# Allegro board rt1064_som.brd (continued)
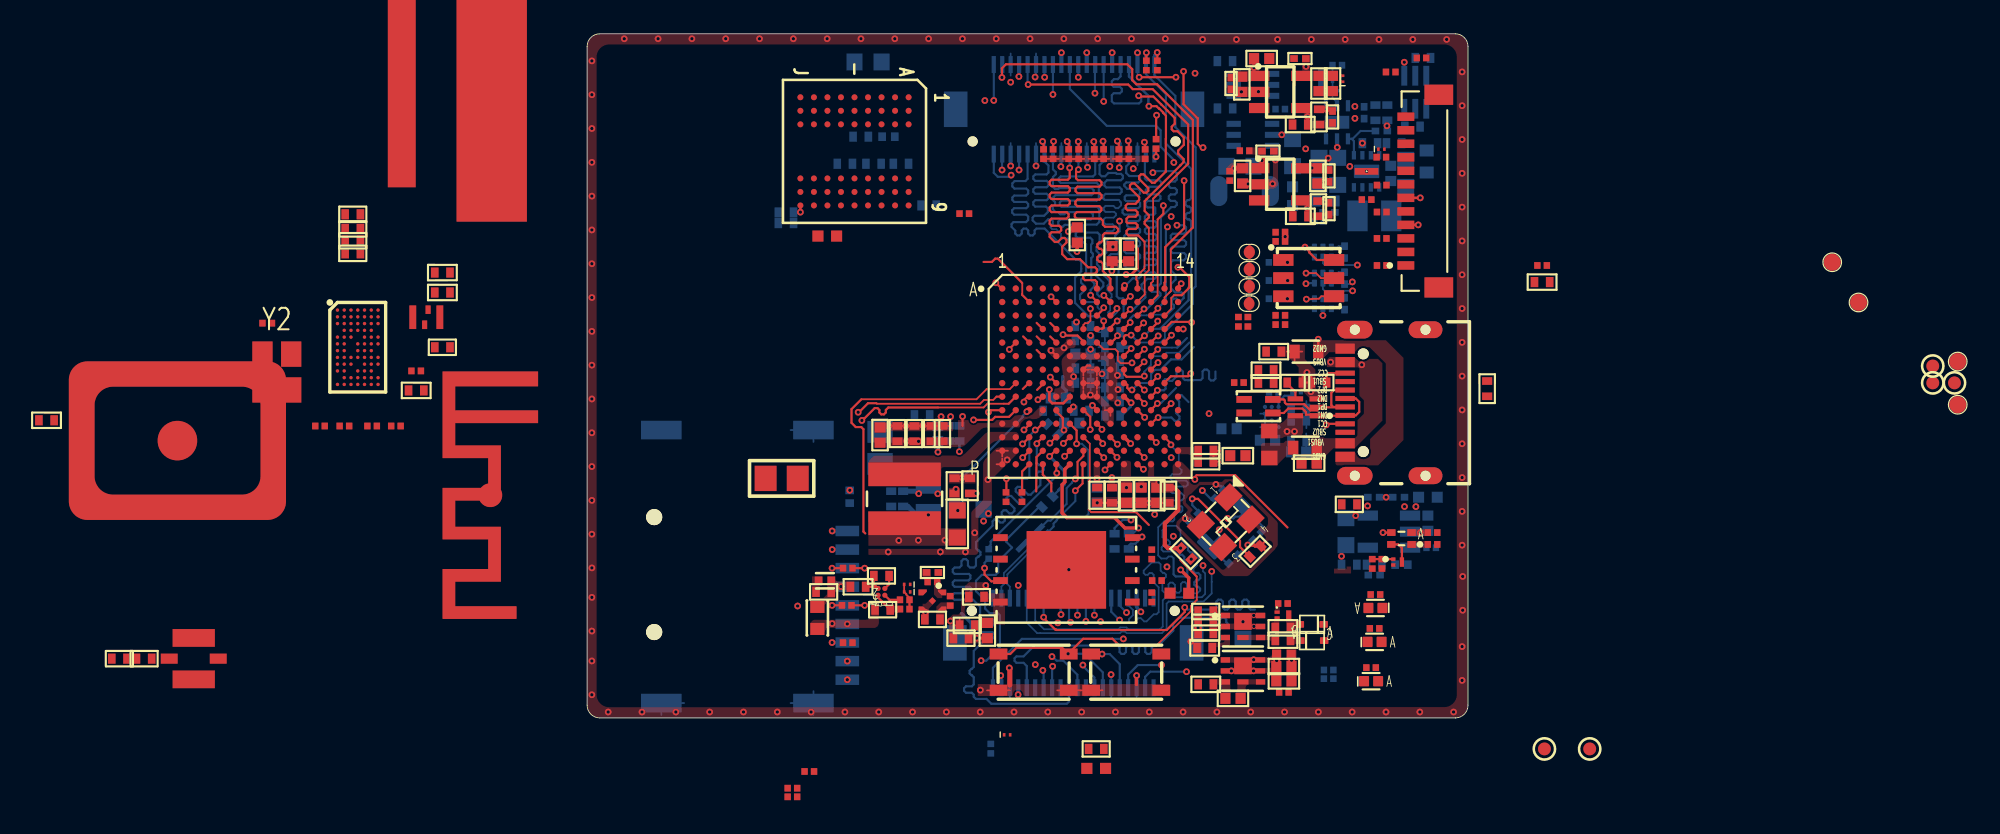
[diagram p0: board, top side]
## Copper pours and planes (outline as drawn; the poured copper is in the pictures) (continued)
GND on TOP: 22.58,8.03 23.65,8.03 23.77,7.91 23.77,7.73 23.69,7.65 22.93,7.65 22.78,7.5 22.78,6.88 22.69,6.79 22.42,6.79 22.36,6.73 22.36,5.88 22.26,5.77 22.26,5.16 22.06,5.16 21.89,4.98 21.89,4.43 21.88,4.42 21.43,4.42 21.43,5.5 21.3,5.63 21.3,5.79 21.63,6.12 21.96,6.12 22.11,6.27 22.11,6.87 22.12,6.88 22.12,6.9 22.35,7.13 22.35,7.8
GND on TOP: 0.03,39.72 0.24,40.23 0.75,40.44 51.35,40.44 51.86,40.23 52.07,39.72 52.07,0.75 51.86,0.24 51.35,0.03 0.75,0.03 0.24,0.24 0.03,0.75 ; 1 cut-out
GND on TOP: 13.2,5.51 13.29,5.72 13.5,5.81 16.01,5.81 16.01,5.32 14.34,5.32 14.13,5.24 14.04,5.02 14.04,4.91 13.2,4.91
GND on TOP: 33.2,32.89 33.2,33.27 26.79,33.27 26.79,32.89
GND on TOP: 29.83,13.06 34.7,13.06 34.7,12.41 29.83,12.41
GND on TOP: 20.42,7.15 20.43,7.15 20.65,6.93 20.65,6.9 20.22,6.48 20.22,5.56 20.19,5.53 19.84,5.53 19.84,5.53 19.84,6.75 19.85,6.76 20.02,6.76
GND on TOP: 17.01,17.5 21.63,17.5 21.63,16.96 17.01,16.96
GND on TOP: 37.87,37.41 37.87,36.97 37.88,36.97 38.27,36.97 38.27,36.97 38.4,36.84 38.4,36.74 40.34,36.74 40.35,36.74 40.35,37.34 40.34,37.35 38.34,37.35 38.27,37.42 37.88,37.42
GND on TOP: 35.91,6.6 36.36,6.6 36.36,3.85 35.91,3.85 35.91,4.19 35.86,4.3 35.76,4.34 35.65,4.34 35.54,4.39 35.5,4.49 35.5,4.58 35.54,4.69 35.65,4.73 35.76,4.73 35.86,4.78 35.91,4.88
GND on TOP: 24.51,16.01 25.38,16.01 25.49,15.97 25.53,15.86 25.51,15.71 25.46,15.65 25.44,15.63 24.82,15.01 24.81,15 24,14.2 23.96,14.13 23.94,14.05 23.94,12.76 23.93,12.68 23.88,12.62 23.2,11.93 23.16,11.87 23.14,11.79 23.14,9.85 23.08,9.71 22.94,9.65 16.64,9.65 16.64,10 22.72,10 22.72,12.13 22.73,12.18 22.76,12.23 23.36,12.83 23.4,12.9 23.42,12.97 23.42,14.98 23.46,15.16 23.56,15.32 24.12,15.88 24.26,15.97 24.44,16.01
GND on TOP: 35.02,15.17 35.14,15.15 35.24,15.09 35.58,14.74 35.64,14.65 35.67,14.53 35.67,14.27 35.63,14.19 35.62,14.1 35.71,13.88 35.93,13.79 36.09,13.84 36.21,13.96 37.54,13.96 37.65,14.07 37.7,14.11 37.76,14.12 38.25,14.12 38.3,14.11 38.34,14.09 38.35,14.08 38.83,13.61 38.82,13.6 40.76,11.66 40.83,11.57 40.85,11.45 40.85,10.3 40.83,10.19 40.76,10.09 40.73,10.06 40.7,10 40.65,9.94 40.42,9.72 39.66,8.95 39.66,8.95 39.28,8.58 39.27,8.57 39.18,8.47 39.08,8.41 38.97,8.39 37.77,8.39 37.66,8.41 37.56,8.47 37.51,8.52 37.5,8.54 37.09,8.95 34.92,11.12 34.86,11.2 34.84,11.29 34.84,11.49 34.86,11.58 34.92,11.66 35.48,12.23 35.49,12.23 35.52,12.3 35.49,12.38 35.46,12.39 35.3,12.56 35.28,12.59 35.23,12.7 35.22,12.79 35.22,12.89 35.23,12.95 35.27,13.01 35.27,13.52 35.25,13.64 35.18,13.73 34.71,14.2 34.65,14.3 34.63,14.41 34.63,14.82 34.65,14.94 34.71,15.04 34.85,15.17 ; 2 cut-outs
GND on TOP: 38.44,31.86 38.44,31.33 38.43,31.32 40.66,31.32 40.86,31.52 40.86,33.69 40.81,33.74 40.4,33.74 40.39,33.72 40.39,33.34 40.39,33.33 40.56,33.33 40.56,31.97 40.46,31.86
GND on TOP: 24.89,2.05 24.94,2.08 25,2.1 25.08,2.07 25.14,2 32.39,2 32.43,2.05 32.49,2.07 32.53,2.07 32.56,2.04 32.6,2 34.42,2 34.42,1.3 23.11,1.3 23.11,2 24.84,2
GND on TOP: 41.56,22.08 42.15,22.08 42.15,22.07 42.45,22.07 42.45,21.23 43.07,20.62 43.07,19.53 43.58,19.02 43.65,19.02 43.65,18.73 43.64,18.72 42.74,18.72 42.72,18.73 42.72,18.92 42.08,19.56 42.08,20.73 41.85,20.96 41.85,20.96 41.55,21.26 41.55,21.37 40.83,21.37 40.83,21.97 41.55,21.97 41.55,22.06
GND on TOP: 16.81,6.7 17.25,6.7 17.25,5.63 17.16,5.41 16.95,5.33 16.41,5.33 15.02,5.32 15.02,5.81 16.51,5.81 16.72,5.9 16.81,6.11
GND on BOTTOM: 37.36,13.7 37.55,13.89 38.13,13.31 38.23,13.26 38.34,13.31 38.38,13.35 38.42,13.37 38.46,13.38 38.78,13.38 38.92,13.36 39.04,13.28 40.21,12.07 40.72,11.56 40.76,11.49 40.78,11.42 40.78,10.97 40.76,10.89 40.72,10.83 39.73,9.84 39.65,9.81 39.58,9.84 39.37,10.05 38.88,9.56 38.86,9.51 38.88,9.46 39,9.34 39.04,9.29 39.05,9.22 39.04,9.16 39,9.1 38.36,8.46 38.2,8.35 38.02,8.32 37.96,8.32 37.77,8.35 37.62,8.46 35.56,10.51 35.49,10.62 35.46,10.75 35.46,11.68 35.49,11.75 35.56,11.78 35.64,11.78 35.68,11.77 35.71,11.75 36.13,11.33 36.2,11.3 36.28,11.33 37.72,12.77 37.78,12.91 37.72,13.05 37.21,13.55 37.21,13.56 37.36,13.7 ; 1 cut-out
GND on BOTTOM: 50.05,10.8 50.05,11.32 48.07,11.32 48.07,10.8
GND on BOTTOM: 25.09,39.58 25.12,39.6 25.16,39.61 32.57,39.61 32.64,39.58 32.67,39.51 32.67,38.18 32.68,38.13 32.71,38.08 32.83,37.96 32.83,37.85 32.8,37.82 32.6,37.82 32.46,37.96 32.44,37.99 32.43,38.03 32.43,39.3 32.4,39.37 32.33,39.4 31.29,39.4 31.22,39.37 31.19,39.3 31.19,38.09 31.16,38.07 30.92,38.07 30.92,39.28 30.89,39.35 30.82,39.38 29.78,39.38 29.71,39.35 29.68,39.28 29.68,37.99 29.65,37.92 29.58,37.89 29.52,37.89 29.45,37.92 29.42,37.99 29.42,39.27 29.39,39.33 29.33,39.36 28.3,39.36 28.23,39.33 28.2,39.26 28.2,37.92 28.17,37.85 28.1,37.82 28.02,37.82 27.95,37.85 27.92,37.92 27.92,39.25 27.89,39.32 27.82,39.35 26.78,39.35 26.71,39.32 26.68,39.25 26.68,37.76 26.65,37.69 26.58,37.66 26.51,37.67 26.46,37.69 26.43,37.75 26.43,37.92 26.43,39.25 26.4,39.32 26.33,39.35 25.41,39.35 25.38,39.34 25.34,39.32 25.24,39.22 25.22,39.18 25.21,39.15 25.21,37.63 25.22,37.63 25.22,35.8 25.21,35.8 25.21,34.78 25.24,34.71 25.31,34.68 27.21,34.68 30.86,34.68 30.86,34.68 32.49,34.68 32.63,34.63 32.69,34.48 32.69,32.47 32.63,32.33 32.49,32.27 32.32,32.27 32.25,32.28 32.18,32.33 32.17,32.34 32.13,32.4 32.11,32.48 32.11,32.56 32.4,32.84 32.4,34.27 32.34,34.41 32.2,34.47 31.39,34.47 31.25,34.41 31.19,34.27 31.19,34.16 31.19,34.15 31.19,32.7 31.02,32.53 30.99,32.51 30.95,32.5 30.85,32.5 30.78,32.53 30.75,32.6 30.75,32.72 30.76,32.76 30.78,32.79 30.89,32.89 30.91,32.93 30.92,32.97 30.92,34.37 30.89,34.44 30.82,34.47 29.78,34.47 29.71,34.44 29.68,34.37 29.68,32.45 29.65,32.38 29.58,32.35 29.52,32.35 29.45,32.38 29.42,32.45 29.42,34.37 29.39,34.44 29.32,34.47 28.26,34.47 28.19,34.44 28.16,34.37 28.16,32.53 28.13,32.46 28.06,32.43 27.93,32.43 27.9,32.46 27.9,34.37 27.87,34.44 27.8,34.47 27.21,34.47 26.95,34.46 26.87,34.45 26.81,34.41 26.68,34.27 26.68,34.26 26.68,32.52 26.42,32.52 26.41,32.53 26.41,33.73 26.42,33.74 26.42,34.36 26.39,34.44 26.32,34.46 25.31,34.46 25.24,34.44 25.21,34.36 25.21,32.55 24.89,32.55 24.89,35.65 24.84,35.75 24.74,35.8 21.09,35.8 21.09,36.7 23.57,36.7 23.67,36.65 23.72,36.55 23.72,36.38 23.76,36.27 23.87,36.23 24.74,36.23 24.84,36.27 24.89,36.38 24.89,39.34 24.9,39.38 24.92,39.41
GND on BOTTOM: 43.8,35.62 45.02,35.62 45.02,35.62 46.15,35.62 46.15,35.31 45.02,35.31 45.02,34.91 43.8,34.91
GND on BOTTOM: 19.42,14.55 20.94,14.55 20.94,14.09 21.02,13.88 21.24,13.79 21.85,13.79 21.99,13.73 22.05,13.59 22.05,13.47 21.99,13.33 21.85,13.27 19.42,13.27
GND on BOTTOM: 24.52,16.02 25.39,16.02 25.5,15.97 25.54,15.87 25.54,15.79 25.52,15.71 25.47,15.66 25.45,15.64 24.82,15.02 24.82,15.01 24.09,14.28 23.99,14.13 23.95,13.94 23.95,13.18 23.92,13.11 23.85,13.08 23.62,13.08 23.48,13.13 23.42,13.28 23.42,14.76 23.43,14.76 23.43,14.98 23.46,15.17 23.57,15.33 24.12,15.88 24.27,15.98 24.45,16.01
GND on BOTTOM: 12.22,17.54 13.74,17.54 13.74,17.53 14.58,17.53 14.58,16.46 13.74,16.46 13.74,13.99 13.68,13.85 13.54,13.79 13.27,13.79 13.13,13.73 13.07,13.59 13.07,8.79 13.13,8.65 13.27,8.59 13.54,8.59 13.68,8.54 13.74,8.39 13.74,1.45 14.63,1.45 14.63,0.28 3.2,0.28 3.2,1.39 12.22,1.39 12.22,16.46 3.2,16.46 3.2,17.53 12.22,17.53
GND on BOTTOM: 30.84,2.57 30.88,2.68 30.99,2.72 31,2.72 31.11,2.68 31.15,2.57 31.15,1.38 31.21,1.24 31.35,1.18 32.12,1.18 32.27,1.24 32.32,1.38 32.32,2.42 32.37,2.53 32.47,2.57 32.55,2.57 32.66,2.53 32.7,2.42 32.7,1.1 32.64,0.96 32.5,0.9 29.56,0.9 29.42,0.96 29.36,1.1 29.36,2.08 29.39,2.15 29.46,2.18 29.53,2.18 29.6,2.15 29.63,2.08 29.63,1.38 29.69,1.24 29.83,1.18 30.64,1.18 30.78,1.24 30.84,1.38
GND on BOTTOM: 28.02,19.25 28.66,19.25 28.66,18.7 28.72,18.56 28.86,18.5 28.9,18.5 29,18.46 29.05,18.35 29.05,18.13 29.06,18.05 29.11,17.99 29.33,17.77 29.33,17.11 28.81,17.11 28.81,17.71 28.75,17.85 28.61,17.91 27.94,17.91 27.8,17.85 27.73,17.63 27.69,17.57 27.16,17.04 27.16,17.03 26.87,17.31 26.88,17.31 27.5,17.93 27.54,18 27.56,18.08 27.56,18.32 27.56,18.48 27.82,18.48 27.96,18.54 28.02,18.68
GND on BOTTOM: 19.13,18.21 19.59,18.21 19.59,16.97 19.13,16.97 19.13,16.97 18.06,16.97 18.06,16.27 16.91,16.27 16.91,17.58 18.06,17.58 18.93,17.58 19.07,17.64 19.13,17.78
GND on BOTTOM: 42.09,18.98 42.75,18.98 42.75,18.73 42.75,18.73 42.75,15.41 42.31,15.41 42.31,18.69 42.09,18.69
GND on BOTTOM: 30.14,23.51 30.14,23.24 30.2,23.1 30.34,23.04 30.75,23.04 30.89,22.98 30.95,22.84 30.95,17.59 30.53,17.59 30.53,18.74 30.45,18.92 30.28,18.99 29.94,18.99 29.76,19.06 29.69,19.24 29.69,20.98 29.69,20.98 29.46,21.21 29.45,21.21 29.45,23.51
GND on BOTTOM: 31.6,12.95 31.6,12.5 33.99,12.5 33.99,12.95
GND on BOTTOM: 22.31,16.61 22.31,16.22 22.26,16.12 22.16,16.07 20.42,16.07 20.42,16.61
GND on BOTTOM: 26.31,3.27 26.33,3.34 26.4,3.37 26.61,3.37 26.68,3.34 26.71,3.27 26.71,3.08 26.7,3.04 26.68,3.01 26.64,2.97 26.62,2.93 26.61,2.9 26.61,1.29 26.67,1.22 26.75,1.17 26.84,1.15 27.62,1.15 27.71,1.17 27.79,1.22 27.87,1.31 27.87,2.02 27.88,2.02 28.12,2.02 28.12,1.27 27.92,1.07 27.85,1.02 27.75,1 26.73,1 26.64,1.02 26.56,1.07 26.37,1.26 26.37,2.88 26.37,2.92 26.34,2.95 26.33,2.96 26.31,3 26.31,3.03
GND on BOTTOM: 44.39,10.67 44.86,10.67 44.86,10.66 45.3,10.66 45.3,9.87 44.86,9.87 44.86,8.78 44.39,8.78
GND on BOTTOM: 24.83,3 24.86,3.07 24.93,3.1 25.07,3.1 25.14,3.07 25.17,3 25.17,1.13 25.14,1.06 25.07,1.03 24.93,1.03 24.86,1.06 24.83,1.13
GND on BOTTOM: 42.22,34.68 42.22,34.68 42.22,33.83 43.36,33.83 43.36,33.62 44.22,33.62 44.22,34.59 44.48,34.59 44.48,33.62 44.9,33.62 44.9,32.75 45.73,32.75 45.73,33.54 45.96,33.54 45.96,32.75 46.23,32.75 46.23,33.54 46.47,33.54 46.47,32.75 47.2,32.75 47.2,32.79 47.89,33.49 48.92,33.49 48.92,32.94 49.24,32.63 50.07,32.63 50.09,32.61 50.09,31.92 50.08,31.92 49.23,31.92 48.79,32.36 47.2,32.36 47.2,32.37 46.79,32.37 46.79,32 45.49,32 45.49,32.52 42.77,32.52 42.77,33.5 41.53,33.5 41.53,34.31 40.09,34.31 40.09,34.68 41.53,34.68
GND on BOTTOM, SIG1: 0.03,39.72 0.24,40.23 0.75,40.44 51.34,40.44 51.85,40.23 52.06,39.72 52.06,0.75 51.85,0.24 51.34,0.03 0.75,0.03 0.24,0.24 0.03,0.75 ; 1 cut-out
GND on POWER: 0,39.75 0.21,40.26 0.72,40.47 51.32,40.47 51.82,40.26 52.04,39.75 52.04,0.78 51.82,0.27 51.32,0.06 0.72,0.06 0.21,0.27 0,0.78 ; 1 cut-out
VBUS on TOP: 43.91,21.35 45.39,21.35 45.63,21.11 46.06,21.11 46.19,21.24 46.77,21.24 47.03,20.98 47.03,17.59 45.39,15.95 44.13,15.95 43.47,15.29 43.47,14.8 43.45,14.79 42.81,14.79 42.81,16.58 42.83,16.6 43.56,16.6 43.61,16.55 45.4,16.55 45.55,16.69 45.55,16.94 45.56,16.95 45.56,17.61 45.94,17.99 45.94,18.79 45.68,19.06 45.68,20.66 45.59,20.74 45.31,20.74 45.3,20.75 43.75,20.75 43.75,21.2
VDD_1V1_CAP on TOP: 32.02,15.21 32.12,15.17 32.17,15.06 32.17,13.32 31.79,13.32 31.79,13.32 31.57,13.32 31.57,15.07 31.61,15.17 31.72,15.22 31.78,15.22
VDD_HIGH_IN_3V3 on TOP: 33.16,15.07 33.2,15.18 33.31,15.22 33.38,15.22 33.45,15.21 33.52,15.17 33.53,15.12 33.53,15.07 33.53,14.32 33.86,13.99 33.87,13.97 33.88,13.95 34.7,13.95 34.7,13.31 33.73,13.31 33.73,13.3 33.35,13.3 33.35,13.88 33.35,13.88 33.16,14.07 33.16,14.23 33.16,14.23
VDD_SNVS_IN on POWER: 37.16,17.93 40.35,17.93 40.52,17.86 40.6,17.68 40.6,13.18 40.52,13 40.35,12.93 35.36,12.93 35.35,12.92 34.96,12.92 34.77,12.89 34.62,12.78 34.5,12.67 34.4,12.51 34.36,12.33 34.36,11.28 34.33,11.09 34.22,10.94 33.24,9.96 33.09,9.85 32.9,9.82 32.48,9.82 32.34,9.88 32.28,10.02 32.28,10.17 32.28,11.23 32.48,11.42 32.48,12.25 32.42,12.39 32.28,12.45 31.28,12.45 30.8,12.65 30.6,13.12 30.6,13.63 30.57,13.82 30.46,13.97 30.13,14.31 30.03,14.46 29.99,14.65 29.99,15.69 30.03,15.87 30.13,16.03 30.41,16.31 30.49,16.37 30.59,16.39 35.61,16.39
VDD_SOC_IN on TOP: 28.36,21.53 28.48,21.61 28.61,21.64 30.94,21.64 31.09,21.58 31.14,21.44 31.14,21.3 31.2,21.24 31.24,21.06 31.36,20.93 31.36,20.36 31.41,20.31 31.42,20.29 31.43,20.27 31.41,20.22 31.36,20.2 31.36,19.55 31.44,19.47 31.46,19.45 31.46,19.43 31.44,19.38 31.4,19.36 31.38,19.37 31.36,19.37 31.36,18.88 31.32,18.78 31.23,18.73 31.21,18.71 31.19,18.71 31.16,18.71 31.14,18.72 31.06,18.72 30.81,18.83 30.71,19.07 30.71,20.95 30.65,21.11 30.48,21.18 29.11,21.18 29.05,21.17 29,21.14 28.83,20.97 28.94,20.85 28.83,20.74 28.81,20.74 28.81,20.26 28.83,20.23 28.84,20.19 28.84,20.17 28.82,20.14 28.81,20.13 28.81,19.78 28.81,19.77 28.81,19.37 28.76,19.26 28.65,19.22 28.18,19.22 28.08,19.17 28.03,19.07 28.03,18.99 27.99,18.89 27.88,18.84 27.69,18.84 27.58,18.89 27.54,18.99 27.54,19.42 27.58,19.42 28.18,20.01 28.18,20.06 28.07,20.86 28.07,21.09 28.1,21.23 28.18,21.35
VDD_SOC_IN on BOTTOM: 31.2,21.45 31.2,18.41 31.85,18.41 31.85,21.45
VDD_SOC_IN on BOTTOM: 20.03,18.03 21.5,18.03 21.57,18.02 21.64,17.97 21.99,17.63 22.26,17.63 22.31,17.58 22.31,17.53 22.36,17.53 22.48,17.51 22.57,17.45 23.27,16.75 23.34,16.65 23.36,16.54 23.36,15.92 23.34,15.81 23.27,15.71 22.26,14.7 22.2,14.66 22.12,14.64 19.36,14.64 19.3,14.63 19.25,14.6 19.21,14.56 19.17,14.51 19.16,14.45 19.16,14.03 19.12,13.92 19.01,13.88 18.42,13.88 18.31,13.83 18.27,13.73 18.27,13.2 17.84,13.2 17.84,13.21 17.69,13.21 17.68,13.22 17.68,14.02 17.73,14.17 17.88,14.22 18.02,14.22 18.16,14.28 18.22,14.42 18.22,14.76 18.28,14.9 18.42,14.96 19.81,14.96 19.91,15 19.96,15.11 19.96,15.17 20,15.28 20.11,15.32 21.94,15.32 22.05,15.35 22.15,15.41 22.51,15.77 22.57,15.87 22.6,15.98 22.6,16.59 22.57,16.71 22.51,16.8 22.45,16.87 22.35,16.93 22.23,16.95 20.68,16.95 20.68,16.96 20.41,16.96 20.41,17.42 20.35,17.56 20.21,17.62 20.03,17.62
VDD_SOC_IN on POWER: 32.76,25.81 32.79,25.88 32.86,25.91 40.56,25.91 40.63,25.88 40.66,25.81 40.66,21.99 40.59,21.81 40.41,21.74 38.66,21.74 38.48,21.66 38.41,21.49 38.41,18.2 38.38,18.13 38.31,18.1 37.68,18.1 37.61,18.13 37.58,18.2 37.58,18.23 37.55,18.3 37.48,18.33 36.64,18.33 36.6,18.32 36.57,18.3 35.32,17.05 35.29,17.03 35.25,17.02 30.22,17.02 30.22,17.26 30.22,17.26 30.22,17.5 30.23,17.5 30.23,18.73 30.21,18.74 29.57,18.74 28.67,17.83 27.64,17.83 27.45,17.79 27.29,17.68 26.2,16.59 26.16,16.54 26.15,16.48 26.15,16.22 26.09,16.07 25.95,16.02 23.48,16.02 23.34,16.07 23.28,16.22 23.28,17.35 23.26,17.43 23.22,17.49 22.41,18.3 22.36,18.34 22.3,18.35 22.04,18.35 21.94,18.33 21.86,18.28 21.5,17.92 21.42,17.86 21.33,17.84 12.07,17.84 11.98,17.93 13.44,19.38 13.6,19.49 13.79,19.53 26.33,19.53 26.38,19.48 26.38,19.2 27.45,19.2 27.59,19.26 27.65,19.4 27.65,20.47 27.67,20.56 27.72,20.65 27.82,20.74 27.9,20.8 28,20.82 28.24,20.82 28.33,20.84 28.41,20.89 28.66,21.14 28.75,21.2 28.84,21.21 31.31,21.21 31.49,21.14 31.56,20.96 31.56,18.6 31.63,18.42 31.81,18.35 32.76,18.35
VDD_USB_3V on POWER: 29.58,18.65 29.66,18.7 29.75,18.72 29.87,18.72 29.96,18.7 30.04,18.65 30.07,18.62 30.12,18.54 30.14,18.45 30.14,18.26 30.12,18.16 30.06,18.08 29.43,17.45 29.35,17.39 29.26,17.38 28.01,17.38 27.93,17.34 27.9,17.27 27.9,14.64 27.88,14.5 27.8,14.38 24.77,11.36 24.69,11.3 24.6,11.29 23.39,11.29 23.16,11.34 22.98,11.51 22.98,12.35 23,12.44 23.05,12.52 23.29,12.75 23.37,12.8 23.46,12.82 24.07,12.82 24.25,12.86 24.41,12.96 26.08,14.63 26.18,14.79 26.22,14.98 26.22,16.38 26.24,16.47 26.29,16.55 27.36,17.62 27.52,17.73 27.71,17.76 27.91,17.76 27.91,17.76 28.7,17.76
DC_5V_IN on TOP: 36.8,6.62 37.27,6.62 37.27,6.38 37.31,6.27 37.42,6.23 37.95,6.23 37.95,6.23 40.11,6.23 40.11,5.9 39.41,5.9 39.31,5.85 39.26,5.75 39.26,5.72 39.31,5.62 39.41,5.57 40.11,5.57 40.11,5.25 39.26,5.25 39.26,5.23 38.34,5.23 38.34,5.25 37.42,5.25 37.31,5.2 37.27,5.09 37.27,4.72 36.8,4.72 ; 1 cut-out
DC_5V_IN on BOTTOM: 26.66,9.92 26.72,9.85 26.73,9.86 26.75,9.86 26.8,9.85 26.82,9.8 26.81,9.78 26.81,9.77 26.9,9.68 26.79,9.57 26.79,9.57 25.67,8.45 25.67,7.18 25.67,5.62 25.68,5.58 25.7,5.54 26.12,5.13 26.15,5.06 26.12,4.99 26.02,4.89 25.95,4.86 25.88,4.89 25.37,5.39 25.35,5.43 25.34,5.46 25.34,8.56 25.35,8.6 25.37,8.63
DC_5V_IN on POWER: 42.18,39.28 42.27,39.49 42.48,39.58 45.01,39.58 45.22,39.49 45.31,39.28 45.31,34.48 45.4,34.27 45.61,34.18 48.9,34.18 49.04,34.12 49.1,33.98 49.1,8.21 49.08,8.12 49.03,8.03 45.01,4.01 44.93,3.96 44.83,3.94 27.24,3.91 27.04,3.99 26.96,4.19 26.96,6.54 26.96,6.57 26.99,6.64 27.06,6.67 42.67,6.67 42.77,6.69 42.85,6.75 47.27,11.17 47.27,31.41 47.21,31.55 47.07,31.61 38.15,31.61 37.87,31.72 37.75,32.01 37.75,36.2 37.84,36.41 38.05,36.5 41.88,36.5 42.1,36.59 42.18,36.8
DC_SW_OUT on TOP: 23.49,16.78 23.65,16.88 23.83,16.92 25.31,16.92 25.39,16.9 25.45,16.86 25.48,16.84 25.52,16.77 25.53,16.69 25.53,16.56 25.45,16.48 25.39,16.44 25.31,16.42 24.42,16.42 24.11,16.36 23.85,16.18 22.64,14.98 22.49,14.88 22.3,14.84 21.7,14.84 21.66,14.84 21.09,14.84 20.99,14.79 20.94,14.69 20.94,14.28 20.66,14 16.64,14 16.64,15.01 16.68,15.2 16.78,15.35 16.81,15.38 16.97,15.49 17.15,15.52 22.04,15.52 22.22,15.56 22.38,15.66
DCDC_3V3 on BOTTOM: 47.21,31.9 48.74,31.9 48.92,31.73 48.92,30.95 48.52,30.95 48.18,30.61 48.18,28.81 48.17,28.8 46.95,28.8 46.95,30.59 47.21,30.85 47.21,31.22 46.72,31.22 46.72,31.52 47.21,31.52
DCDC_3V3 on POWER: 2.72,38.91 2.78,39.05 2.92,39.11 18.64,39.11 18.78,39.05 18.84,38.91 18.84,36.95 18.89,36.8 19.04,36.75 23.63,36.75 23.77,36.8 23.83,36.95 23.83,38.5 23.89,38.64 24.03,38.7 34.64,38.7 34.78,38.64 34.84,38.5 34.84,36.95 34.89,36.8 35.04,36.75 36.56,36.75 36.7,36.69 36.76,36.55 36.76,35.5 36.76,35.5 36.76,31.68 36.82,31.54 36.96,31.48 46.94,31.48 47.08,31.42 47.14,31.28 47.14,11.35 47.12,11.25 47.07,11.17 46.78,10.88 46.7,10.83 46.6,10.81 45.56,10.81 45.47,10.79 45.39,10.74 42.49,7.84 35.51,7.84 35.51,8.92 34.62,8.92 34.62,7.84 25.19,7.84 25.09,7.74 24.9,7.74 24.72,7.7 24.56,7.6 22.72,5.76 22.62,5.6 22.58,5.42 22.58,4.11 22.52,3.97 22.38,3.91 12.66,3.91 12.48,3.88 12.32,3.77 11.57,3.02 11.41,2.92 11.23,2.88 7.52,2.88 7.33,2.92 7.18,3.02 6.53,3.67 6.43,3.82 6.39,4.01 6.39,7.74 6.35,7.93 6.25,8.08 4.71,9.62 4.55,9.73 4.37,9.76 4.17,9.76 3.99,9.8 3.83,9.91 1.48,12.25 1.26,12.58 1.18,12.97 1.18,25.59 1.24,25.73 1.38,25.79 11.79,25.79 11.98,25.83 12.14,25.93 12.3,26.09 12.4,26.25 12.44,26.43 12.44,28.93 12.42,28.93 12.42,35.35 12.36,35.5 12.22,35.55 2.92,35.55 2.78,35.61 2.72,35.75 ; 1 cut-out
DCDC_OUT on TOP: 16.63,12.24 19.02,12.24 19.02,12.24 20.91,12.24 20.94,12.21 20.94,11.22 22.43,11.22 22.43,10.19 16.64,10.19 16.64,11.63 16.63,11.63
DCDC_PSWITCH on TOP: 21.39,14.52 21.39,13.87 22.97,13.87 22.97,14.52
FB_U4 on TOP: 41.68,36.38 42.84,36.38 42.84,35.33 43.57,35.33 43.68,35.43 44.29,35.43 44.3,35.42 44.3,34.98 44.19,34.88 42.84,34.88 42.84,34.82 42.42,34.82 42.39,34.85 42.39,35.79 42.34,35.85 41.72,35.85 41.68,35.9 41.68,36.37
FB_U26 on BOTTOM: 46.42,8.27 46.42,10.37 45.88,10.37 45.88,8.27
FLASH_V on TOP: 23.44,7.37 24.72,7.37 24.72,5.51 23.99,5.51 23.99,5.32 23.16,5.32 23.16,5.19 22.72,5.19 22.72,5.78 22.72,5.77 23.16,5.77 23.31,5.93 23.33,5.93 23.33,5.94 24.02,5.94 24.02,6.86 23.44,6.86
FLASH_VCC on POWER: 45.45,10.62 45.52,10.67 45.59,10.68 46.12,10.68 46.31,10.56 46.26,10.34 45.75,9.82 45.75,9.82 42.8,6.87 42.72,6.82 42.62,6.8 40.16,6.8 39.81,7.16 35.16,7.16 35.14,7.14 26.77,7.14 26.64,7.11 26.52,7.03 26.41,6.92 26.33,6.81 26.3,6.67 26.3,4.11 26.26,4 26.15,3.96 22.87,3.96 22.77,4 22.72,4.11 22.72,5.37 22.73,5.41 22.74,5.44 22.74,5.53 24.92,7.71 25.7,7.71 25.77,7.71 34.75,7.71 34.75,8.23 34.75,8.23 34.75,8.83 34.76,8.87 34.78,8.9 34.96,9.08 34.99,9.1 35.03,9.11 35.11,9.11 35.15,9.1 35.18,9.08 35.36,8.9 35.38,8.87 35.39,8.83 35.39,7.71 42.44,7.71 42.53,7.73 42.61,7.78
LDO_1V8 on BOTTOM: 45.95,13.27 46.38,13.27 46.38,12.27 46.77,12.27 46.77,11.69 44.38,11.69 44.38,12.27 45.95,12.27
MCU_DCDC_IN_3V3 on TOP: 26.74,18.37 26.8,18.41 26.88,18.43 27.04,18.43 27.12,18.4 27.15,18.32 27.15,18.26 27.14,18.17 27.08,18.09 26.81,17.82 26.66,17.72 26.47,17.68 25.99,17.68 25.9,17.66 25.82,17.61 25.68,17.47 25.63,17.39 25.61,17.3 25.61,17.28 25.58,17.21 25.51,17.18 23.6,17.18 23.42,17.14 23.26,17.04 22.9,16.68 22.9,16.67 22.39,16.17 22.23,16.06 22.05,16.03 17.02,16.03 17,16.06 17,16.6 21.93,16.6 21.93,17.62 24.71,17.62 24.9,17.66 25.05,17.76 25.14,17.84 25.21,17.9 25.31,17.91 26.08,17.91 26.27,17.95 26.42,18.06
MCU_DCDC_IN_3V3 on BOTTOM: 18.71,16.36 18.77,16.5 18.91,16.56 19.51,16.56 19.72,16.48 19.81,16.26 19.81,15.37 19.72,15.16 19.51,15.07 18.07,15.07 18.07,14.78 17.47,14.78 17.47,13.12 16.95,13.12 16.95,14.78 16.57,14.78 16.57,15.69 17.25,15.69 17.25,15.7 17.75,15.7 17.75,15.69 18.51,15.69 18.65,15.75 18.71,15.89
MCU_DCDC_IN_3V3 on SIG1: 21.67,17.99 21.83,18.1 22.01,18.14 22.36,18.14 22.5,18.08 22.56,17.94 22.56,17.75 22.53,17.61 22.45,17.49 21.12,16.16 21,16.08 20.86,16.06 18.57,16.06 18.47,16.1 18.42,16.2 18.42,16.59 18.47,16.69 18.57,16.74 20.26,16.74 20.4,16.76 20.52,16.84
MCU_DCDC_IN_3V3 on POWER: 22.45,18.22 23.09,17.58 23.09,14.81 23.08,14.81 23.08,13.83 23.1,13.74 23.15,13.66 23.22,13.6 23.27,13.52 23.29,13.43 23.29,13.13 23.26,13.06 23.19,13.03 22.02,13.03 21.92,13.05 21.85,13.1 21.54,13.4 21.48,13.5 21.46,13.62 21.46,17.62 21.47,17.67 21.5,17.72 22,18.22
Net_3 on TOP (solid shape): -3.61,48.54 -7.72,48.54 -7.72,48.74 -10.14,48.74 -10.14,48.23 -3.61,48.23 -3.61,46.58 -10.14,46.58 -10.14,31.39 -11.79,31.39 -11.79,50.39 -7.72,50.39 -7.72,55.47 -3.61,55.47
Net_4 on TOP (solid shape): -3.56,29.36 -7.72,29.36 -7.72,46.28 -3.56,46.28
Net_182 on POWER: 18.77,16.81 18.67,16.77 18.62,16.66 18.62,16.34 18.67,16.23 18.77,16.19 20.17,16.19 20.27,16.23 20.32,16.34 20.32,16.66 20.27,16.77 20.17,16.81
Net_200 on POWER: 41.07,21.66 41.15,21.71 41.24,21.73 41.97,21.73 42.06,21.71 42.14,21.66 42.71,21.09 42.76,21.01 42.78,20.92 42.78,17.05 42.8,16.96 42.85,16.88 43.15,16.58 43.23,16.53 43.32,16.51 44.68,16.51 44.77,16.49 44.85,16.44 44.88,16.41 44.94,16.33 44.95,16.23 44.95,12.62 44.94,12.53 44.88,12.45 44.79,12.36 44.71,12.3 44.62,12.29 44.42,12.29 44.33,12.3 44.25,12.36 43.97,12.64 43.91,12.72 43.89,12.81 43.89,13.57 43.88,13.67 43.82,13.75 41.77,15.8 41.66,15.96 41.63,16.15 41.63,19.17 41.61,19.26 41.56,19.34 40.85,20.04 40.8,20.12 40.78,20.21 40.78,21.27 40.8,21.37 40.85,21.45
NVCC_EMC on TOP: 28.32,22.29 28.37,22.4 28.47,22.44 28.74,22.44 28.85,22.4 28.89,22.29 28.89,22.04 28.85,21.93 28.74,21.89 28.64,21.89 28.51,21.87 28.41,21.81 27.91,21.31 27.89,21.29 27.73,21.23 27.59,21.31 27.58,21.31 27.24,21.65 27.24,21.88 27.29,21.94 27.99,21.94 28.32,22.27
NVCC_GPIO on BOTTOM: 31.19,21.62 31.19,23.14 31.85,23.14 31.85,21.62
NVCC_GPIO on POWER: 29.48,27.84 29.54,27.98 29.68,28.04 31.37,28.04 31.51,27.98 31.57,27.84 31.57,26.18 31.63,26.04 31.77,25.98 32.47,25.98 32.58,25.94 32.62,25.83 32.62,21.26 32.58,21.21 32.5,21.1 32.48,20.96 32.48,18.68 32.42,18.54 32.28,18.48 31.63,18.48 31.63,21.21 31.59,21.4 31.48,21.55 31.45,21.59 31.29,21.69 31.11,21.73 30.64,21.73 30.45,21.76 30.29,21.87 30.19,21.97 30.09,22.13 30.05,22.31 30.05,22.82 29.99,22.96 29.85,23.02 29.68,23.02 29.54,23.07 29.48,23.22
NVCC_SD on TOP: 42.29,39.22 42.74,39.22 42.74,38.29 44.41,38.29 44.41,38.29 44.41,37.69 41.64,37.69 41.64,38.29 41.65,38.29 42.29,38.29
NVCC_SD0 on BOTTOM: 27.08,19.31 27.72,19.31 27.72,18.75 27.66,18.7 27.46,18.7 27.24,18.48 27.2,18.48 27.2,17.87 26.75,17.87 26.75,18.51 26.87,18.51 27.08,18.73
NVCC_SD0 on POWER: 26.4,27.78 26.45,27.89 26.56,27.94 29.13,27.94 29.27,27.88 29.33,27.74 29.33,21.65 29.21,21.37 28.93,21.25 28.77,21.25 28.59,21.22 28.43,21.11 28.36,21.04 28.21,20.94 28.02,20.9 27.84,20.94 27.68,21.04 26.4,22.33
NVCC_SD1 on BOTTOM: 27.48,16.69 27.48,16.7 27.87,17.09 27.9,17.14 27.91,17.2 27.91,17.77 28.51,17.77 28.51,17.76 28.51,17.16 28.5,17.1 28.47,17.05 27.79,16.38
NVCC_SD1 on POWER: 36.58,18.13 36.66,18.18 36.75,18.2 36.94,18.2 37.01,18.17 37.04,18.1 37.04,18.04 37.04,18 37.01,17.97 35.56,16.51 28.57,16.51 28.43,16.54 28.31,16.62 27.99,16.94 27.99,17.1 28.03,17.21 28.14,17.25 29.31,17.25 29.65,16.9 35.15,16.9 35.34,16.94 35.49,17.05
OVR_V_FLAG on TOP: 36.81,2.3 38.02,2.3 38.04,2.3 38.04,0.83 37.53,0.83 37.53,1.77 37.47,1.91 37.33,1.97 36.81,1.97
OVR_V_FLAG on TOP: 41.34,6.36 41.65,6.36 41.65,5.88 41.69,5.78 41.8,5.73 42.26,5.73 42.26,5.35 41.98,5.35 41.87,5.3 41.83,5.2 41.83,5.04 41.34,5.04
SD_VDD on TOP: 14.22,8.38 14.67,8.38 14.67,8.37 14.67,8.26 14.73,8.12 14.87,8.06 15.8,8.06 15.8,7.55 14.87,7.55 14.73,7.49 14.67,7.35 14.67,7.17 14.61,7.02 14.47,6.97 14.41,6.97 14.33,6.95 14.26,6.91 14.04,6.69 14.04,6.23 14.03,6.21 13.19,6.21 13.19,6.93 13.81,6.93 14.21,7.33 14.21,8.37
SDRAM_3V3 on POWER: 2.65,35.23 2.71,35.37 2.85,35.43 11.86,35.43 12,35.37 12.06,35.23 12.06,26.43 12,26.28 11.86,26.23 2.85,26.23 2.71,26.28 2.65,26.43
U1_VIN on BOTTOM: 42.77,32.01 44.9,32.01 44.9,31.59 45.47,31.59 45.47,31.14 44.9,31.14 44.9,31.07 44.45,31.07 44.45,29.71 44,29.71 44,31.07 42.77,31.07 42.77,31.14 41.39,31.14 41.39,31.59 42.77,31.59
U6_FB on TOP: 42.82,30.9 42.82,29.9 44.08,29.9 44.08,29.45 42.41,29.45 42.4,29.46 42.4,30.37 41.68,30.37 41.68,30.9
U6_VIN on TOP: 38.97,33.76 40.14,33.76 40.14,33.33 40.14,33.33 40.14,32.82 40.35,32.82 40.35,32.25 40.33,32.23 38.45,32.23 38.38,32.16 37.81,32.16 37.81,32.55 38.08,32.82 39.69,32.82 39.69,33.33 38.97,33.33
VFB_U1 on BOTTOM: 46.53,34.31 47.5,34.31 47.5,33.7 46.98,33.7 46.98,33.04 46.72,33.04 46.72,33.7 46.53,33.7
VLDO_3V3 on TOP: 41.64,32.82 41.64,32.22 44.07,32.22 44.08,32.24 44.08,32.62 43.88,32.82
N3251712 on TOP: 20.65,5.52 20.65,6.58 20.91,6.84 21.67,6.84 21.67,6.47 21.64,6.43 21.11,6.43 21.11,5.52 20.66,5.52
N3285558 on TOP: 38.45,2.29 38.45,0.84 38.94,0.84 38.94,0.85 38.94,1.78 39,1.92 39.14,1.98 40.09,1.98 40.09,1.98 40.09,2.29 38.46,2.29
N3285558 on TOP: 40.65,6.02 40.93,6.02 40.93,4.31 40.48,4.31 40.48,4.46 40.43,4.56 40.33,4.61 38.45,4.61 38.45,4.92 40.33,4.92 40.43,4.96 40.48,5.07 40.48,5.64 40.5,5.64 40.6,5.68 40.65,5.79
N3365194 on TOP: 42.94,21.27 42.94,22.35 42.94,22.34 47.24,22.34 48.28,21.3 48.28,16.44 46.78,14.94 44.35,14.94 44.26,15.03 44.26,15.75 45.38,15.75 45.72,15.4 46.21,15.4 46.31,15.5 46.31,16.5 47.24,17.43 47.24,20.97 46.27,21.93 45.68,21.93 45.39,21.64 43.89,21.64 43.85,21.6 43.85,21.59 43.52,21.26 42.95,21.26
N32274071 on TOP: 39.86,16.18 39.86,14.96 40.81,14.96 41.45,15.61 42.05,15.61 42.07,15.63 42.07,16.39 41.32,16.39 41.19,16.27 39.95,16.27
N32561662 on TOP: 37.7,4.92 38.02,4.92 38.02,4.34 37.98,4.24 37.87,4.19 37.2,4.19 37.2,3.85 36.75,3.85 36.75,4.19 36.75,4.19 36.75,4.45 36.75,4.46 37.55,4.46 37.66,4.5 37.7,4.61
5V_SYS on BOTTOM: 38.92,33.14 38.92,31.72 38.95,31.56 39.04,31.43 40.07,30.4 40.2,30.31 40.36,30.28 40.43,30.28 40.58,30.31 40.71,30.4 40.82,30.51 40.9,30.64 40.94,30.79 40.94,31.42 40.9,31.57 40.82,31.7 39.49,33.03 39.36,33.11 39.21,33.14 38.93,33.14
5V_SYS on POWER: 46.15,38.18 46.21,38.32 46.35,38.38 51.19,38.38 51.33,38.32 51.39,38.18 51.39,1.46 51.17,0.93 50.64,0.71 5.28,0.71 5.1,0.75 4.94,0.85 4.04,1.75 3.94,1.91 3.9,2.09 3.9,9.41 3.96,9.55 4.1,9.61 4.18,9.61 4.37,9.58 4.52,9.47 6.12,7.87 6.12,3.83 6.16,3.65 6.27,3.49 6.98,2.78 7.14,2.67 7.32,2.64 11.37,2.64 11.55,2.67 11.71,2.78 12.57,3.64 12.73,3.74 12.91,3.78 24.19,3.78 24.22,3.8 24.26,3.81 44.82,3.81 45.01,3.85 45.17,3.96 49.17,7.96 49.21,8.02 49.23,8.1 49.27,34.12 49.21,34.26 49.07,34.32 46.35,34.32 46.21,34.38 46.15,34.52
GND on TOP: 29.99,20.81 30.03,20.83 30.08,20.84 30.16,20.84 30.26,20.79 30.31,20.69 30.31,19.98 30.33,19.94 30.33,19.9 30.33,19.18 30.35,19.1 30.39,19.04 31.04,18.39 31.12,18.34 31.15,18.25 31.15,17.4 31.1,17.3 31,17.25 30.99,17.25 30.97,17.23 30.88,17.23 30.84,17.28 30.81,17.3 30.79,17.33 30.53,17.59 30.48,17.65 30.47,17.73 30.47,18.34 30.45,18.42 30.41,18.48 30.09,18.8 30.03,18.84 29.95,18.85 29.32,18.85 29.21,18.9 29.17,19 29.17,20.66 29.21,20.77 29.32,20.81
GND on BOTTOM: 21.03,5.72 21.09,5.86 21.23,5.92 21.86,5.92 22,5.86 22.06,5.72 22.06,3.39 21.03,3.39
GND on BOTTOM: 36.94,30.69 37.06,30.41 37.34,30.29 37.51,30.29 37.79,30.41 37.91,30.69 37.91,31.68 37.94,31.83 38.03,31.96 38.27,32.21 38.29,32.21 38.29,33.16 37.38,33.16 37.06,32.84 36.97,32.71 36.94,32.56
GND on BOTTOM: 39.49,16.12 40.06,16.12 40.08,16.15 40.08,16.98 40.09,17.04 40.13,17.09 40.18,17.14 40.21,17.18 40.22,17.23 40.22,18.01 40.18,18.12 40.07,18.16 39.64,18.16 39.53,18.12 39.49,18.01
GND on BOTTOM: 34.62,37.86 34.59,37.93 34.62,38 34.75,38.12 34.82,38.15 34.89,38.12 35.97,37.04 35.99,37 36,36.97 36,35.6 35.52,35.6 35.52,36.92 35.51,36.96 35.49,36.99
GND on GND1: 0.75,40.47 0.22,40.25 0,39.72 0,0.75 0.22,0.22 0.75,0 51.35,0 51.88,0.22 52.1,0.75 52.1,39.72 51.88,40.25 51.35,40.47
VDD_SNVS_CAP on BOTTOM: 32.06,16.35 32.15,16.38 32.23,16.35 32.29,16.35 32.35,16.34 32.4,16.31 32.63,16.07 32.67,16.02 32.68,15.96 32.68,14.6 33.07,14.22 33.1,14.17 33.11,14.11 33.11,13.33 33.08,13.3 32.46,13.3 32.46,13.31 32.46,13.89 32.44,13.95 32.41,13.99 31.86,14.54 31.83,14.59 31.82,14.65 31.82,16.17 31.83,16.23 31.86,16.27 31.9,16.31 31.95,16.34 32.01,16.35
VDD_SNVS_IN on BOTTOM: 30.7,15.83 30.92,16.07 30.92,16.39 31.41,16.39 31.41,14.17 31.36,14.06 31.26,14.02 31.22,14.01 30.85,14.01 30.75,14.06 30.7,14.16
VDDA_ADC_3V3 on TOP: 36.37,16.02 36.37,14.86 35.91,14.86 35.77,14.92 35.71,15.06 35.71,15.4 35.65,15.54 35.51,15.6 34.95,15.6 34.81,15.66 34.75,15.8 34.75,15.82 34.81,15.96 34.95,16.02 36.36,16.02
DC_5V_IN on BOTTOM: 27.39,7.6 27.63,7.6 27.63,6.12 27.64,6.06 27.68,6.01 27.88,5.81 27.92,5.78 27.98,5.76 30.13,5.76 30.19,5.78 30.24,5.81 30.34,5.9 30.37,5.95 30.38,6.01 30.38,7.5 30.38,7.5 30.62,7.5 30.62,5.61 30.61,5.55 30.58,5.5 30.56,5.48 30.51,5.45 30.45,5.44 27.73,5.44 27.67,5.45 27.63,5.48 27.43,5.68 27.4,5.73 27.39,5.78 27.39,7.59
DCDC_OUT on BOTTOM: 19.43,12.66 20.95,12.66 20.95,11.42 21.01,11.28 21.15,11.22 22.22,11.22 22.36,11.16 22.42,11.02 22.42,10.39 22.36,10.25 22.22,10.19 19.63,10.19 19.49,10.25 19.43,10.39
DCDC_OUT on POWER: 20.45,16.23 20.55,16.29 20.66,16.31 20.98,16.31 21.12,16.25 21.18,16.11 21.18,13.56 21.12,13.51 21.12,11.44 21.18,11.3 21.32,11.24 21.41,11.24 21.48,11.21 21.51,11.14 21.51,10.5 21.42,10.29 21.21,10.2 18.18,10.2 18.04,10.26 17.98,10.4 17.98,12.08 18.04,12.22 18.18,12.28 19.14,12.28 19.33,12.32 19.49,12.42 19.71,12.65 19.82,12.81 19.85,12.99 19.85,15.43 19.89,15.61 19.99,15.77
FLASH_VCC on POWER: 38.44,19.44 38.52,19.61 38.69,19.69 40.87,19.69 40.97,19.67 41.05,19.61 41.42,19.24 41.48,19.16 41.5,19.06 41.5,15.94 41.52,15.85 41.57,15.77 43.38,13.96 43.43,13.88 43.45,13.78 43.45,13.41 43.08,13.41 42.98,13.39 42.9,13.34 42.59,13.03 42.51,12.97 42.41,12.95 40.99,12.95 40.81,13.03 40.74,13.2 40.74,17.81 40.67,17.99 40.49,18.06 38.69,18.06 38.52,18.13 38.44,18.31
Net_201 on POWER: 42.87,13.06 42.9,13.08 42.94,13.09 43.34,13.09 43.41,13.06 43.44,12.99 43.44,12.84 43.43,12.8 43.41,12.77 43.17,12.52 43.01,12.42 42.82,12.38 35.64,12.38 35.46,12.34 35.3,12.24 35.15,12.08 35.04,11.93 35,11.74 35,10.76 34.95,10.62 34.8,10.56 34.68,10.56 34.54,10.62 34.49,10.76 34.49,12.47 34.65,12.63 34.8,12.73 34.99,12.77 42.38,12.77 42.56,12.81 42.72,12.91
Net_202 on SIG1: 31.96,11.76 32.01,11.86 32.11,11.91 32.27,11.91 32.27,11.91 32.76,11.91 32.9,11.88 33.02,11.8 33.84,10.98 33.95,10.91 34.09,10.88 34.67,10.88 34.77,10.83 34.82,10.73 34.82,10.7 34.77,10.59 34.67,10.55 33.75,10.55 33.61,10.57 33.49,10.65 33.17,10.98 33.17,10.98 32.63,11.51 32.11,11.51 32.01,11.56 31.96,11.66
Net_203 on SIG1: 28.54,21.4 28.57,21.47 28.64,21.5 30.42,21.5 30.52,21.48 30.59,21.43 31.1,20.93 31.26,20.82 31.44,20.78 31.78,20.78 31.92,20.72 31.98,20.58 31.98,18.48 31.96,18.41 31.93,18.35 31.93,18.26 31.9,18.19 31.83,18.16 28.55,18.16 28.55,20.66 28.55,21.23 28.54,21.29
NVCC_SD0 on POWER: 8.64,21.95 8.95,22.16 9.31,22.23 25.91,22.23 26.09,22.19 26.25,22.09 27.41,20.93 27.51,20.77 27.55,20.59 27.55,19.5 27.53,19.41 27.48,19.33 27.46,19.32 27.38,19.26 27.29,19.24 27.13,19.24 27.06,19.27 27.03,19.34 27.03,19.47 26.97,19.61 26.83,19.67 14.82,19.67 14.81,19.66 13.65,19.66 13.47,19.62 13.31,19.52 9.6,15.81 9.44,15.7 9.26,15.67 5.48,15.67 5.12,15.81 4.98,16.17 4.98,18.08 5.02,18.27 5.12,18.44
V_BRD on BOTTOM: 41.41,18.6 41.87,18.6 41.87,17.3 41.41,17.3 41.41,17.39 41.38,17.46 41.31,17.49 40.94,17.49 40.84,17.54 40.79,17.64 40.79,17.72 40.75,17.83 40.64,17.88 40.46,17.88 40.39,17.91 40.37,17.98 40.37,18.03 40.39,18.1 40.46,18.13 41.22,18.13 41.3,18.15 41.36,18.19 41.41,18.24

Small or netless copper shapes (teardrops, artwork), in the pictures only: 23 on TOP, 17 on BOTTOM

## Text on the board
DISPLAY_TOP: 10 x 6
